# Altium PCB RT1064_V2PCB.PcbDoc (part 2 of 2)
Units mil, origin at the board's own origin, x right, y up, seen from the top; angles counter-clockwise.
Board outline 4813.94 x 2430.13 mil, 4 copper layers (TOP, GND 2, PWR, BOTTOM), stack 23.756 mil thick; 135 components, 134 nets, 481 pads, 147 vias.
Unrouted connection lines stored in the file: 5.
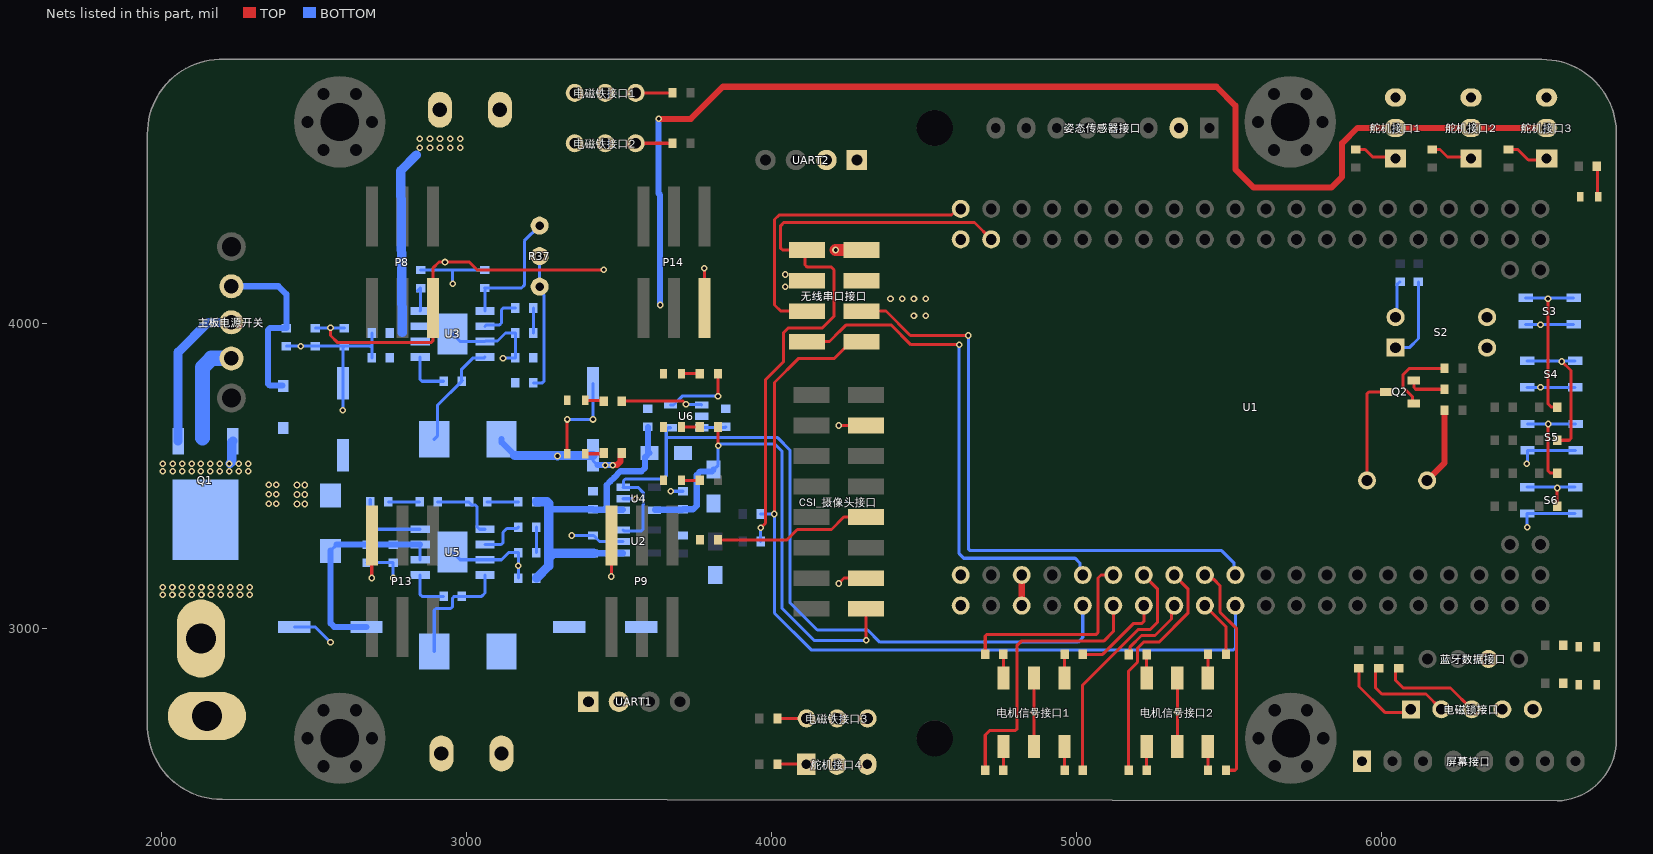
[diagram p4: the nets of this part, all layers, seen from the top]

## Via types
v1: diameter 22, hole 12, TOP to BOTTOM, tented both sides, 147 vias

## Nets (pads, with @x,y where several pads share a name; then routed paths per layer and width w, separated by ;. In a path a pad name is that pad's centre, name@x,y a point inside that pad or via, vN(x,y) a via of type N, cw(c..) or ccw(c..) an arc to the next point about the centre after c; other vN are vias at no path point) (continued)
CR: U1.9 U2.3 U4.3 U6.4 | length 2642.9
  BOTTOM w10: U2.3@3513.82,3322.4 3516.22,3320 3573.67,3320 3579.53,3325.86 3579.53,3405.62 3580,3406.1 3580,3445 3562.6,3462.4 U4.3@3513.82,3462.4 ; U4.3@3515,3463.58 3515,3483.86 3521.14,3490 3645,3490 3655,3500 3655,3625 ; U6.4@3668.82,3657.6 3661.81,3657.6 3655,3650.79 3655,3625 ; U1.9@5020,3075 5020,2970 5005,2955 4355,2955 4315,2995 4150,2995 4060,3085 4060,3585 4020,3625 3655,3625
CSI_3V3: C13.1 C15.2 CSI_摄像头接口.1 R52.2 U4.5 | length 1616.1
  TOP w10: R52.2@3824.53,3660 3824.76,3659.77 3824.76,3599.24 v1(3825,3599) ; v1(4310,2961) CSI_摄像头接口.1@4310,3065
  BOTTOM w10: U4.5@3616.18,3387.6 U4.5@3617.62,3389.04 ; C15.2@3708.56,3389.04 C15.2@3710,3390.47 ; C13.1@3810,3520.24 3825,3535.24 v1(3825,3599) ; v1(4310,2961) 4139,2961 4035,3065 4035,3580 4010,3605 3834.25,3605 3828.25,3599 v1@3826,3599 ; v1(3825,3599) v1@3826,3599 ; v1(3825,3599) 3825,3600 v1@3826,3599
  BOTTOM w20: U4.5@3617.62,3389.04 C15.2@3708.56,3389.04 ; C15.2@3710,3390.47 3743.28,3390.47 3755,3402.19 3755,3502.66 3766.72,3514.38 3804.14,3514.38 C13.1@3810,3520.24
D0: R8.1 U1.14 | length 783.1
  TOP w10: R8.1@5019.45,2535.26 5019.45,2814.44 5201.63,2996.62 5241.62,2996.62 5264.53,3019.53 5264.53,3130.47 U1.14@5220,3175
D1: R9.1 U1.13 | length 297.5
  TOP w10: R9.1@5019.53,2915 5085,2915 5186.62,3016.62 5214.14,3016.62 5220,3022.47 U1.13@5220,3075
D2: R2.1 U1.12 | length 666.9
  TOP w10: R2.1@4700.47,2914.88 4700.47,2974.61 4706.33,2980.47 5064.14,2980.47 5070,2986.33 5070,3165 5080,3175 U1.12@5120,3175
D3: R3.1 U1.11 | length 921.1
  TOP w10: R3.1@4700.47,2535 4700.47,2650.47 4715.2,2665.2 4799.14,2665.2 4805,2671.05 4805,2945 4818.3,2958.3 5088.3,2958.3 5120,2990 U1.11@5120,3075
D4: U1.10 无线串口接口.2 | length 1695.5
  TOP w10: 无线串口接口.2@4116.26,3940 4190,3940 4209.87,3959.87 4209.87,3960.72 4229.73,3980.59 4230.59,3980.59 4245,3995 4391.72,3995 4456.72,3930 v1(4615,3930)
  BOTTOM w10: v1(4615,3930) 4615,3245 4630,3230 4995,3230 5010.61,3214.39 5010.61,3184.39 U1.10@5020,3175 U1.10@5010,3175
D12: R15.1 U1.15 | length 248.1
  TOP w10: R15.1@5170.47,2914.71 5175.39,2919.63 5175.39,2939.6 5212.4,2976.62 5256.62,2976.62 5310.61,3030.61 5310.61,3065.61 U1.15@5320,3075
D13: R13.1 U1.16 | length 768.5
  TOP w10: R13.1@5170.47,2535.11 5170.47,2860.47 5199.25,2889.25 5199.25,2935.18 5219.07,2955 5270,2955 5364.53,3049.53 5364.53,3130.47 U1.16@5320,3175
D14: R12.1 U1.17 | length 189
  TOP w10: U1.17@5420,3075 5489.53,3005.47 R12.1@5489.53,2914.8
D15: R11.1 U1.18 | length 722.9
  TOP w10: U1.18@5420,3175 5433.27,3175 5447.26,3161.01 5448.99,3161.01 5470,3140 5470,3053.28 5524.17,2999.12 5524.17,2541.07 5518.31,2535.21 R11.1@5489.53,2535.21
D16: R6.1 U1.19 无线串口接口.1 | length 2843.8
  TOP w10: v1(4009,3375) 4010,3376 4010,3806.17 4088.83,3885 4206.54,3885 4261.54,3940 无线串口接口.1@4295,3940
  BOTTOM w10: R6.1@3964.53,3375 v1(4009,3375) 4010,3375 4010,3050 4130,2930 5514.14,2930 5520,2935.86 U1.19@5520,3075
D17: U1.20 无线串口接口.3 | length 2013.3
  TOP w10: 无线串口接口.3@4295,4040 4375,4040 4455,3960 v1(4645,3960)
  BOTTOM w10: v1(4645,3960) 4645,3260.86 4650.86,3255 5475,3255 5516.33,3213.67 5516.33,3178.67 U1.20@5520,3175
D26: U1.84 无线串口接口.4 | length 1019
  TOP w10: 无线串口接口.4@4116.26,4040 4030,4040 4010,4060 4010,4340 4025,4355 4589.61,4355 4609.61,4375 U1.84@4620,4375
D27: R7.1 U1.81 无线串口接口.8 | length 2088.5
  TOP w10: v1(3965,3330) 3980,3345 3980,3815 4040,3875 4040,3969.6 4055.4,3985 4167.12,3985 4205,4022.88 4205,4175 4195,4185 4115.59,4185 4109.73,4190.86 4109.73,4233.47 无线串口接口.8@4116.26,4240 4035.86,4240 4030,4245.86 4030,4320 4040,4330 4665,4330 U1.81@4720,4275
  BOTTOM w10: R7.1@3964.53,3285 3964.53,3329.53 v1(3965,3330)
GND: 3V3电源指示灯.C 5V_EXT指示灯.C 5V电源指示灯.C C1.2 C2.1 C6.2 C7.1 C8.1 C13.2 C14.1 C15.1 C17.2 C18.1 C22.1 CSI_3V3指示灯.C CSI_摄像头接口.3 CSI_摄像头接口.13 IO测试点1.C IO测试点2.C P8.1 P9.1 P13.1 P14.1 PWM测试点.C R4.2 R43.1 R44.1 R45.1 R46.2 R47.2 S2.3 S2.4 S3.1 S4.1 S5.1 S6.1 U1.1 U1.2 U1.83 U2.2 U4.2 U5.0 U5.7 U6.2 UART1.2 UART2.2 姿态传感器接口.2 屏幕接口.1 无线串口接口.5 无线串口接口.6 蓝牙数据接口.2 | length 3275.5
  TOP w10: v1(2555,3985) 2555,3960 2578.43,3936.57 2884.14,3936.57 2890,3942.43 P8.1@2890,4050 2890,4180 2910.53,4200.53 v1(2930,4200.53) 3009.47,4200.53 3035,4175 v1(3450,4175) ; v1(2690,3165) P13.1@2690,3305 ; v1(3475,3170) P9.1@3475,3305 ; P14.1@3780,4050 v1(3780,4180) ; v1(4220,3147.5) 4237.5,3165 CSI_摄像头接口.3@4310,3165 ; v1(4220,3665) CSI_摄像头接口.13@4310,3665
  BOTTOM w10: R46.2@2505,3984.06 R47.2@2600,3984.05 ; R43.1@2744.53,3415 R45.1@2847.14,3415 ; U5.0@2955,3250 2980,3225 U5.7@3061.3,3225 3115,3225 3138.33,3248.33 C22.1@3170.47,3248.33 ; C18.1@3170.47,3165 C22.1@3170.47,3246.36 ; v1@3345,3305 v1(3345.47,3304.53) C7.1@3415,3304.53 3416.97,3304.53 3436.49,3285 U2.2@3513.82,3285 ; U4.2@3513.82,3425 v1(3555,3425) ; v1(3670,3450) 3670.47,3449.53 C15.1@3710,3449.53 ; S3.1@6471.26,3996.69 S3.1@6628.74,3996.69 ; v1@6475,3330 v1(6476.26,3331.26) S6.1@6476.26,3376.69 S6.1@6633.74,3376.69 ; v1(6475,3540) 6477.52,3542.52 S5.1@6477.52,3583.36 S5.1@6635,3583.36 ; S4.1@6476.26,3790.03 S4.1@6633.74,3790.03
  other v1: 3170,3205 6520,3790 6520,3995 4466.67,4025 4505,4025 4390,4080 4428.33,4080 4466.67,4080 4505,4080 4045,4120 4045,4160
NetB1_1: B1.1 R19.1 | length 247.7
  TOP w20: B1.1@6148.43,3485 6205,3541.57 R19.1@6205,3709.26
NetB1_2: B1.2 Q2.3 | length 349.7
  TOP w10: B1.2@5951.57,3485 5951.57,3769.14 5957.43,3775 Q2.3@6014.72,3775
NetC3_1: C3.1 L1.1 U3.8 | length 363.7
  BOTTOM w10: L1.1@2894.76,3620 2905,3630.24 2905,3730.48 C3.1@2984.53,3810 ; C3.1@2986.97,3812.45 C3.1@2984.53,3810 ; U3.8@3061.3,3890 3056.96,3885.66 3020.66,3885.66 2984.53,3849.53 C3.1@2984.53,3810
NetC3_2: C3.2 U3.1 | length 153.3
  BOTTOM w10: U3.1@2848.7,3890 2848.7,3815.86 2854.56,3810 C3.2@2925.47,3810
NetC12_2: C12.2 R36.1 | length 81.7
  BOTTOM w10: C12.2@3219.53,3968.33 R36.1@3219.53,4050
NetC16_1: C16.1 L2.1 U5.8 | length 399.6
  BOTTOM w10: L2.1@2894.76,2925 2894.76,3059.14 2900.62,3065 2948.39,3065 2954.25,3070.86 2954.25,3099.15 2960.11,3105 C16.1@2984.53,3105 3050,3105 3061.3,3116.3 U5.8@3061.3,3175
NetC16_2: C16.2 U5.1 | length 143.3
  BOTTOM w10: U5.1@2848.7,3175 2848.7,3110.86 2854.56,3105 C16.2@2925.47,3105
NetC19_1: C19.1 C20.2 C21.2 D2.K U5.2 U5.3 | length 712.6
  BOTTOM w10: D2.K@2555,3254.45 D2.K@2575.08,3274.53 ; C21.2@2760,3274.53 C21.2@2760.24,3274.76 ; U5.3@2848.46,3274.76 U5.3@2848.7,3275 U5.2@2848.7,3225
  BOTTOM w20: D2.K@2555,3254.45 2555,3016.72 2566.72,3005 C19.1@2672.77,3005 ; D2.K@2575.08,3274.53 C20.2@2675,3274.53 C21.2@2760,3274.53 ; C21.2@2760.24,3274.76 U5.3@2848.46,3274.76
NetC22_2: C22.2 R41.1 | length 83.3
  BOTTOM w10: C22.2@3229.53,3248.33 R41.1@3229.53,3331.67
NetD1_A: D1.A R16.2 主板电源开关.1 | length 593.9
  BOTTOM w10: D1.A@2398.02,3795.87 D1.A@2400,3793.9
  BOTTOM w20: 主板电源开关.1@2230,4121.22 2383.78,4121.22 2410,4095 R16.2@2410,3984.07 2355.86,3984.07 2350,3978.21 2350,3801.73 2355.86,3795.87 D1.A@2398.02,3795.87
NetD1_K: D1.K Q1.3 主板电源开关.3 主板电源接口.1 | length 416.4
  BOTTOM w30: v1@2225,3540 2231.06,3546.06 2231.06,3610.24 Q1.3@2234.76,3613.94
  BOTTOM w50: 2135,3624.4 2135,3855.71 2164.29,3885 主板电源开关.3@2230,3885
  other v1: 2005,3110 2036.67,3110 2068.33,3110 2100,3110 2131.67,3110 2163.33,3110 2195,3110 2226.67,3110 2258.33,3110 2290,3110 2005,3135 2036.67,3135 2068.33,3135 2100,3135 2131.67,3135 2163.33,3135 2195,3135 2226.67,3135 2258.33,3135 2290,3135 2005,3515 2038,3515 2069,3515 2100,3515 2130,3515 2161,3515 2192,3515 2223,3515 2254,3515 2285,3515 2005,3540 2038,3540 2069,3540 2100,3540 2130,3540 2161,3540 2192,3540 2223,3540 2254,3540 2285,3540
NetLED1_A: R48.1 舵机电源指示灯.A | length 62
  TOP w10: 舵机电源指示灯.A@3389.53,3572.5 3447.97,3572.5 R48.1@3450.47,3575
NetLED2_A: 5V_EXT指示灯.A R49.1 | length 62
  TOP w10: 5V_EXT指示灯.A@3389.53,3747.5 3447.98,3747.5 R49.1@3450.47,3745
NetLED3_A: 5V电源指示灯.A R50.1 | length 60.5
  TOP w10: 5V电源指示灯.A@3705,3835 R50.1@3765.47,3835
NetLED4_A: 3V3电源指示灯.A R51.1 | length 60.5
  TOP w10: 3V3电源指示灯.A@3705,3485 R51.1@3765.47,3485
NetLED5_A: CSI_3V3指示灯.A R52.1 | length 60.5
  TOP w10: CSI_3V3指示灯.A@3705,3660 R52.1@3765.47,3660
NetLED6_A: IO测试点2.A R54.1
NetLED7_A: IO测试点1.A R55.1
NetLED8_A: PWM测试点.A R56.1 | length 102.1
  TOP w10: R56.1@6704.53,4515 6707.03,4512.5 6707.03,4417.5 PWM测试点.A@6709.53,4415
NetP1_7: CSI_摄像头接口.7 R4.1 | length 516.5
  TOP w10: R4.1@3824.56,3290 4050.4,3290 4084.81,3324.41 4196.53,3324.41 4237.12,3365 CSI_摄像头接口.7@4310,3365
NetP2_1: R1.1 电磁铁接口2.1 | length 120.5
  TOP w10: 电磁铁接口2.1@3555,4590 R1.1@3675.47,4590
NetP4_1: R8.2 电机信号接口1.1 | length 77.7
  TOP w10: 电机信号接口1.1@4960,2612.8 4960.4,2612.4 R8.2@4960.4,2535.26
NetP4_2: R9.2 电机信号接口1.2 | length 78
  TOP w10: 电机信号接口1.2@4960,2837.2 4960.47,2837.68 R9.2@4960.47,2915
NetP4_5: R3.2 电机信号接口1.5 | length 78
  TOP w10: R3.2@4759.53,2535 4759.53,2612.32 电机信号接口1.5@4760,2612.8
NetP4_6: R2.2 电机信号接口1.6 | length 77.9
  TOP w10: R2.2@4759.53,2914.88 4759.53,2837.68 电机信号接口1.6@4760,2837.2
NetP5_1: R15.2 电机信号接口2.1 | length 77.7
  TOP w10: R15.2@5229.53,2914.71 5229.53,2837.68 电机信号接口2.1@5230,2837.2
NetP5_2: R13.2 电机信号接口2.2 | length 77.9
  TOP w10: R13.2@5229.53,2535.11 5229.53,2612.32 电机信号接口2.2@5230,2612.8
NetP5_5: R12.2 电机信号接口2.5 | length 77.8
  TOP w10: 电机信号接口2.5@5430,2837.2 5430.47,2837.68 R12.2@5430.47,2914.8
NetP5_6: R11.2 电机信号接口2.6 | length 77.8
  TOP w10: 电机信号接口2.6@5430,2612.8 5430.47,2612.32 R11.2@5430.47,2535.21
NetP7_1: R5.1 电磁铁接口1.1 | length 120.5
  TOP w10: 电磁铁接口1.1@3555,4755 R5.1@3675.47,4755
NetP12_1: R10.1 舵机接口2.1 | length 139.7
  TOP w10: R10.1@6165,4569.53 6190.47,4569.53 6215,4545 6287.5,4545 舵机接口2.1@6292.5,4540
NetP15_1: R14.1 舵机接口3.1 | length 141.4
  TOP w10: R14.1@6415,4569.53 6445.47,4569.53 6480,4535 6535,4535 舵机接口3.1@6540,4540
NetP16_1: R17.1 电磁铁接口3.1 | length 95.5
  TOP w10: R17.1@4019.53,2705 电磁铁接口3.1@4115,2705
NetP18_1: R18.1 舵机接口1.1 | length 126.8
  TOP w10: R18.1@5925.75,4573.98 R18.1@5915,4569.53 5945.47,4569.53 5970,4545 5974.14,4545 舵机接口1.1@6020,4545
NetP19_1: R53.1 舵机接口4.1 | length 94.4
  TOP w10: R53.1@4019.53,2555 舵机接口4.1@4113.94,2555
NetP29_1: R28.1 电磁锁接口.1 | length 286
  TOP w10: R28.1@5925,2861.06 5925,2810 6010,2725 6085,2725 电磁锁接口.1@6095,2735 6080,2735 电磁锁接口.1@6087.5,2727.5
NetP29_2: R30.1 电磁锁接口.2 | length 313.9
  TOP w10: R30.1@5990,2870.01 5988.78,2870.01 5980,2861.23 5980,2805 6000,2785 6145,2785 电磁锁接口.2@6195,2735
NetP29_3: R32.1 电磁锁接口.3 | length 334.2
  TOP w10: R32.1@6055,2869.96 6053.78,2869.96 6045,2861.18 6045,2830 6070,2805 6225,2805 电磁锁接口.3@6295,2735
NetQ1_2: Q1.2 主板电源开关.2 | length 506.6
  BOTTOM w30: Q1.2@2055.24,3613.94 2055.24,3905.24 2153.11,4003.11 主板电源开关.2@2230,4003.11
NetQ2_1: Q2.1 R20.1 | length 253.2
  TOP w10: Q2.1@6105.28,3737.6 6100.46,3742.41 6100.46,3759.54 6069.61,3790.39 6069.61,3831.41 6090.7,3852.51 R20.1@6205.47,3852.51
NetQ2_2: Q2.2 R21.1 | length 125.4
  TOP w10: Q2.2@6105.28,3812.4 6105.28,3789.6 6111.13,3783.74 R21.1@6205.46,3783.74
NetR22_1: R22.1 S2.1 | length 272.9
  BOTTOM w10: S2.1@6045,3920 6090,3920 6120,3950 R22.1@6120,4135.47
NetR27_1: R27.1 S2.2 | length 122.8
  BOTTOM w10: S2.2@6045,4020 6049.26,4024.26 6049.26,4126.69 6058.03,4135.47 R27.1@6060,4135.47
NetR29_1: R29.1 S3.2 | length 536
  TOP w10: v1(6544.77,4080.23) 6544.77,3736.08 6555.86,3725 R29.1@6574.53,3725
  BOTTOM w10: S3.2@6471.26,4083.31 S3.2@6628.74,4083.31
NetR31_1: R31.1 S4.2 | length 470.3
  TOP w10: R31.1@6574.53,3616.65 6614.14,3616.65 6620,3622.51 6620,3845 v1(6590,3875)
  BOTTOM w10: S4.2@6476.26,3876.64 S4.2@6633.74,3876.64
NetR33_1: R33.1 S5.2 | length 344.3
  TOP w10: v1(6545,3670) 6545,3515.86 6550.86,3510 6572.85,3510 R33.1@6574.53,3508.32
  BOTTOM w10: S5.2@6477.52,3669.97 S5.2@6635,3669.97
NetR34_1: R34.1 S6.2 | length 217.7
  TOP w10: R34.1@6574.53,3400 6574.53,3459.53 v1(6575,3460)
  BOTTOM w10: S6.2@6476.26,3463.31 S6.2@6633.74,3463.31
NetR35_1: R35.1 R37.1 R37.ADJ | length 453.3
  BOTTOM w10: R35.1@3219.53,3805 3249.14,3805 3255,3810.86 3255,4091.73 3240,4106.73 R37.1@3240,4120 R37.ADJ@3240,4220
NetR36_2: R36.2 U3.6 | length 149.4
  BOTTOM w10: U3.6@3061.3,3990 3066.3,3995 3109.14,3995 3115,4000.86 3115,4044.14 3120.86,4050 R36.2@3160.47,4050
NetR37_2: R37.2 R39.2 U3.5 | length 418.4
  BOTTOM w10: R39.2@3060,4115.47 3180.47,4115.47 3190,4125 3190,4270 R37.2@3240,4320 ; U3.5@3061.3,4040 R39.2@3061.3,4108.7
NetR38_2: R38.2 U3.4 | length 89.6
  BOTTOM w10: R38.2@2840,4106.69 2848.78,4115.47 R38.2@2850,4115.47 2850,4041.3 U3.4@2848.7,4040
NetR40_1: R40.1 R42.2 | length 102.6
  BOTTOM w10: R42.2@3067.86,3415 R40.1@3170.47,3415
NetR41_2: R41.2 U5.6 | length 152.6
  BOTTOM w10: U5.6@3061.3,3275 3114.14,3275 3120,3280.86 3120,3315 3132.55,3327.55 3166.35,3327.55 R41.2@3170.47,3331.67
NetR42_1: R42.1 R45.2 U5.5 | length 231.4
  BOTTOM w10: R45.2@2906.19,3415 R42.1@3008.81,3415 ; R42.1@3008.81,3414.46 3008.81,3413.37 3017.59,3404.59 3029.14,3404.59 3035,3398.73 3035,3332.8 3042.8,3325 U5.5@3061.3,3325
NetR43_2: R43.2 U5.4 | length 258.3
  BOTTOM w10: R43.2@2685,3422.99 2685,3330.86 2690.86,3325 U5.4@2848.7,3325
NetR44_2: R44.2 U6.3 | length 80
  BOTTOM w10: U6.3@3771.18,3657.6 3772.62,3659.04 3848.56,3659.04 R44.2@3850,3660.47
PGND: C4.2 C5.1 C9.2 C10.1 C11.1 C12.1 C19.2 C20.1 C21.1 R16.1 R38.1 R39.1 R46.1 R47.1 U3.0 U3.7 主板电源接口.2 电机信号接口1.3 电机信号接口1.4 电机信号接口2.3 电机信号接口2.4 电机接口1.2 电机接口2.2 电磁铁接口1.3 电磁铁接口2.3 电磁铁接口3.3 电磁锁接口.5 舵机接口1.3 舵机接口2.3 舵机接口3.3 舵机接口4.3 舵机电源指示灯.C | length 2210.6
  TOP w10: 舵机电源指示灯.C@3330.47,3572.5 v1@3330.47,3675.47 ; 电机信号接口1.3@4860,2612.8 v1(4860,2725) 电机信号接口1.4@4860,2837.2 ; 电机信号接口2.4@5330,2612.8 v1(5330,2725) 电机信号接口2.3@5330,2837.2
  BOTTOM w10: R16.1@2410,3925.01 v1(2457.5,3925.01) R46.1@2505,3925 2684.62,3925 2690.48,3919.14 ; C19.2@2436.55,3005 2505,3005 v1(2555,2955) ; v1(2595,3715) C9.2@2595,3803.11 2595,3920 R47.1@2600,3925 ; C20.1@2675,3215.47 C21.1@2760,3215.47 v1(2760,3165) ; C10.1@2690.48,3886.67 2690.48,3919.14 ; C11.1@2690.48,3968.33 2690.48,3919.14 ; R38.1@2850,4174.53 2955,4174.53 ; U3.0@2955,3965 2980,3940 U3.7@3061.3,3940 3063.24,3941.94 3101.94,3941.94 3128.33,3968.33 C12.1@3160.47,3968.33 C5.1@3160.47,3886.67 3121.67,3886.67 v1(3120,3885) ; v1(2955,4130) 2955,4174.53 ; R39.1@3060,4174.53 2955,4174.53 ; v1(3330.47,3685) v1(3415,3685) C4.2@3415,3803.11
VCC_5V: C1.1 C2.2 C7.2 C14.2 C17.1 C18.2 L2.2 R40.2 R50.2 U1.5 U1.6 U2.1 U4.1 U6.5 | length 1515
  TOP w10: R50.2@3824.53,3835 v1(3824.53,3760.47) v1@3825,3760
  TOP w20: U1.5@4820,3075 U1.6@4820,3175
  BOTTOM w10: C14.2@3415,3390.47 C14.2@3416.43,3389.04 ; U4.1@3512.38,3389.04 U4.1@3513.82,3387.6 ; U2.1@3512.76,3246.54 U2.1@3513.82,3247.6 ; U6.5@3668.82,3732.4 3678.66,3732.4 3707.26,3761 3824,3761 v1(3824.53,3760.47)
  BOTTOM w20: 3270,3385 3275.47,3390.47 C14.2@3415,3390.47 ; C7.2@3416.06,3246.54 U2.1@3512.76,3246.54 ; C14.2@3416.43,3389.04 3450,3389.04 ; U4.1@3512.38,3389.04 3450,3389.04 ; C1.1@3595,3579.89 C2.2@3595,3660.5 ; C1.1@3599.88,3575 3599.27,3575 3585.65,3561.38 3585.65,3526.72 3573.94,3515 3505,3515 3484.21,3494.21 3483.88,3494.21 3472.17,3482.5 3472.17,3482.17 3460,3470 3460,3399.04 3450,3389.04
  BOTTOM w30: C18.2@3229.53,3165 3230,3165 3270,3205 3270,3230 ; R40.2@3229.53,3415 3264.14,3415 3270,3409.14 3270,3385 3270,3230 ; C7.2@3416.06,3246.54 3286.54,3246.54 3270,3230
VCC_5V_EXT: R49.2 U6.1 UART1.1 UART2.1 无线串口接口.7 | length 351.9
  TOP w10: R49.2@3509.53,3745 3710,3745 v1(3720,3735)
  TOP w40: v1(4210,4240) 无线串口接口.7@4295,4240
  BOTTOM w10: v1(3720,3735) 3721.3,3733.7 3769.88,3733.7 U6.1@3771.18,3732.4
VCC_Servo: C4.1 C5.2 L1.2 R35.2 R48.2 舵机接口1.2 舵机接口2.2 舵机接口3.2 舵机接口4.2 | length 4447.6
  TOP w20: v1(3480,3535) 3480.38,3535.38 3493.41,3535.38 3505.75,3547.72 3505.75,3570.67 R48.2@3509.81,3574.72 ; v1(3630,4670) 3735.5,4670 3840.5,4775 5458.28,4775 5520,4713.28 5520,4504.53 5580,4444.53 5834.53,4444.53 5870,4480 5870,4590 5920,4640 舵机接口1.2@6045,4640 舵机接口2.2@6292.5,4640 舵机接口3.2@6540,4640
  BOTTOM w10: C4.1@3415,3566.89 3415,3549.69 C4.1@3429.69,3535
  BOTTOM w20: L1.2@3115.24,3620 3115.24,3610.16 L1.2@3158.5,3566.89 ; C4.1@3429.69,3535 v1(3455,3535) v1(3480,3535) ; v1(3630,4670) 3630,4425.98 3635,4420.98 v1(3635,4060)
  BOTTOM w30: L1.2@3158.5,3566.89 v1@3298.65,3566.89 ; v1(3298.65,3565) v1@3298.65,3566.89 ; C4.1@3415,3566.89 v1@3298.65,3566.89
VCCBAT: C9.1 C10.2 C11.2 D2.A Q1.1 U3.2 U3.3 电机接口1.1 电机接口2.1 电磁铁接口1.2 电磁铁接口2.2 电磁铁接口3.2 电磁锁接口.4 | length 603.2
  BOTTOM w30: 2790.1,3970 2784.9,4499.9 2836.7,4551.7
  other v1: 2445,3408 2470,3408 2351.96,3408.68 2376.96,3408.68 2445,3439 2470,3439 2351.96,3439.68 2376.96,3439.68 2445,3470 2470,3470 2351.96,3470.68 2376.96,3470.68 2847.5,4575 2880.62,4575 2913.75,4575 2946.88,4575 2980,4575 2847.5,4605 2880.62,4605 2913.75,4605 2946.88,4605 2980,4605
pads on no net: M1.1 M2.1 M3.1 M4.1 M5.1 M6.1 P8.5 P8.6 P9.5 P9.6 P13.5 P13.6 P14.5 P14.6 U1.3 U1.4 U1.7 U1.8 U1.21 U1.22 U1.49 U1.69 U1.74 U2.4 U4.4 主板电源开关.0 姿态传感器接口.7 姿态传感器接口.8

## Polygon pours and split planes (outlines as drawn)
VCCBAT on BOTTOM "NONET_L-01_P-001" (solid, remove dead copper, pour order 32): 2800,4865 2800,4535 2825,4510 3020,4510 3020,4850 3005,4865 2795,4865
VCCBAT on BOTTOM "NONET_L-01_P-001" (solid, remove dead copper, pour order 22): 2720,3870 2740,3850 2780,3850 2780,3910 2790,3920 2880,3920 2885,3925 2885,4005 2740,4005 2720,3985
VCC_Servo on BOTTOM "NONET_L-01_P-001" (solid, remove dead copper, pour order 27): 3200,3905 3200,3880 3160,3840 3140,3840 3130,3830 3130,3700 3070,3700 3055,3685 3055,3545 3065,3535 3175,3535 3185,3545 3185,3825 3195,3825 3240,3870 3240,3910 3205,3910
GND on BOTTOM "GND_L04_P043" (solid, remove dead copper, pour order 43): 1954.93,2690.01 1954.9,4620.01 cw(c2197.5,4622.51) 2190,4865.01 6650,4865.1 cw(c6652.5,4622.5) 6895,4630 6894.64,2637.09 cw(c6694.99,2635.03) 6701.16,2435.47 6701.16,2435.58 2199.82,2440.16 cw(c2197.32,2682.65)
VCCBAT on BOTTOM "NONET_L-01_P-001" (solid, remove dead copper, pour order 35): 3400,4835 3400,4520 3510,4520 3510,4835
VCC_5V on BOTTOM "NONET_L-01_P-001" (solid, remove dead copper, pour order 31): 3580,3645 3575,3650 3575,3685 3580,3690 3615,3690 3620,3740 3630,3750 3695,3750 3700,3745 3700,3710 3690,3700 3645,3700 3635,3675 3623,3645
3V3 on BOTTOM "NONET_L-01_P-001" (solid, remove dead copper, pour order 30): 3870,3390 3885,3405 3925,3405 3940,3390 3940,3250 3880,3250 3870,3260 3870,3335
3V3 on BOTTOM "NONET_L-01_P-001" (solid, remove dead copper, pour order 29): 3595,3225 3605,3215 3740,3215 3775,3250 3915,3250 3930,3265 3930,3305 3915,3320 3845,3320 3770,3320 3740,3290 3715,3265 3595,3265
VCC_5V on BOTTOM "NONET_L-01_P-001" (solid, remove dead copper, pour order 28): 3045,2860 3070,2835 3070,2825 3400,2825 3440,2865 3440,3075 3325,3075 3265,3135 3265,3195 3255,3205 3205,3205 3200,3200 3200,3005 3075,3005 3045,2975 3045,2855
VCCBAT on BOTTOM "NONET_L-01_P-001" (solid, remove dead copper, pour order 25): 2690,3635 2690,3771.88 2720,3870 2780,3870 2780,3575 2740,3535 2555,3535 2530,3560 2545,3635
NetD1_K on BOTTOM "NONET_L-01_P-001" (solid, remove dead copper, pour order 23): 2110,3505 2300,3505 2300,3605 2325,3630 2430,3630 2430,3675 2409.98,3695.02 2110,3695
VCCBAT on BOTTOM "NONET_L-01_P-001" (solid, remove dead copper, pour order 21): 1980,3225 2020,3185 2280,3185 2280,3330 2290,3340 2550,3340 2625,3415 2625,3625 2620,3625 2610,3635 2545,3635 2515,3605 2515,3485 1980,3485
NetD1_K on TOP "NONET_L-01_P-001" (solid, remove dead copper, pour order 24): 1965,3915 1990,3940 2275,3940 2305,3910 2305,2855 2265,2815 2000,2815 1965,2850
GND on TOP "GND_L01_P040" (solid, remove dead copper, pour order 40): 1954.93,2690.01 1954.9,4620.01 cw(c2197.5,4622.51) 2190,4865.01 6650,4865.1 cw(c6652.5,4622.5) 6895,4630 6894.64,2637.09 cw(c6694.99,2635.03) 6701.16,2435.47 6701.16,2435.58 2199.82,2440.16 cw(c2197.32,2682.65)
PGND on TOP "NONET_L-01_P-001" (solid, remove dead copper, pour order 39): 3040,4840 3040,4565 3060,4545 3365,4545 3390,4570 3390,4845 3045,4845
VCCBAT on TOP "NONET_L-01_P-001" (solid, remove dead copper, pour order 33): 2800,4835 3005,4835 3020,4820 3020,4550 2800,4550
VCCBAT on TOP "NONET_L-01_P-001" (solid, remove dead copper, pour order 34): 3410,4855 3410,4535 3510,4535 3510,4855
VCC_5V on PWR (split plane): 4869.9,3782.89 4869.9,3032.11 4867.89,3030.1 4770.1,3030.1 4770.1,3665 4769.71,3666.95 4768.6,3668.6 4718.6,3718.6 4716.95,3719.71 4715,3720.1 3752.11,3720.1 3750.1,3722.11 3750.1,3827.89 3752.11,3829.9 4822.89,3829.9
3V3 on PWR (split plane): 3924.9,3507.89 3924.9,3142.11 3902.89,3120.1 3750.1,3120.1 3750.1,3529.9 3902.89,3529.9
no net on PWR (split plane): 3739.9,3732.31 3735.1,3737.11 3735.1,3812.89 3739.9,3817.69
3V3 on PWR (split plane): 5474.9,4697.89 5474.9,4510 5475.29,4508.05 5476.4,4506.4 5501.4,4481.4 5503.05,4480.29 5505,4479.9 6632.89,4479.9 6659.9,4452.89 6659.9,3772.11 6587.89,3700.1 6405,3700.1 6403.05,3699.71 6401.4,3698.6 6376.4,3673.6 6375.29,3671.95 6374.9,3670 6374.9,3410 6375.29,3408.05 6376.4,3406.4 6426.4,3356.4 6428.05,3355.29 6430,3354.9 6537.89,3354.9 6609.9,3282.89 6609.9,2852.11 6577.89,2820.1 6422.11,2820.1 6410.1,2832.11 6410.1,2950 6409.71,2951.95 6408.6,2953.6 6370.1,2992.11 6370.1,3305 6369.71,3306.95 6368.6,3308.6 6290.1,3387.11 6290.1,3732.89 6312.11,3754.9 6560,3754.9 6561.95,3755.29 6563.6,3756.4 6573.6,3766.4 6574.71,3768.05 6575.1,3770 6575.1,4405 6574.71,4406.95 6573.6,4408.6 6553.6,4428.6 6551.95,4429.71 6550,4430.1 5442.11,4430.1 5385.1,4487.11 5385.1,4709.9 5462.89,4709.9
VCC_5V_EXT on PWR (split plane): 4319.9,4380 4319.9,4205.1 4185,4205.1 4183.05,4204.71 4182.5,4204.34 4181.95,4204.71 4180,4205.1 3760,4205.1 3758.05,4204.71 3756.4,4203.6 3741.4,4188.6 3740.29,4186.95 3739.9,4185 3739.9,3832.11 3726.4,3818.6 3725.29,3816.95 3724.9,3815 3724.9,3735 3725.29,3733.05 3726.4,3731.4 3739.9,3717.89 3739.9,3535 3739.9,3115 3739.9,3097.11 3441.4,2798.6 3440.29,2796.95 3439.9,2795 3439.9,2710.1 3357.11,2710.1 3355.1,2712.11 3355.1,2792.89 3673.6,3111.4 3674.71,3113.05 3675.1,3115 3675.1,3510 3675.1,4227.89 3712.11,4264.9 4180,4264.9 4181.95,4265.29 4183.6,4266.4 4238.6,4321.4 4239.71,4323.05 4240.1,4325 4240.1,4584.9 4319.9,4584.9
no net on PWR (split plane): 3504.9,4557.11 3467.89,4520.1 2837.11,4520.1 2810.1,4547.11 2810.1,4844.93 3504.9,4844.94
3V3 on PWR (split plane): 3824.9,4677.89 3824.9,4460 3825.29,4458.05 3826.4,4456.4 3856.4,4426.4 3858.05,4425.29 3860,4424.9 3922.89,4424.9 3944.9,4402.89 3944.9,4302.11 3917.89,4275.1 2385.1,4275.1 2385.1,4424.9 3725,4424.9 3726.95,4425.29 3728.6,4426.4 3729.71,4428.05 3730.1,4430 3730.1,4677.89 3752.11,4699.9 3802.89,4699.9
NetD1_K on PWR (split plane): 2296.4,3906.4 2309.9,3892.89 2309.9,2962.11 2267.89,2920.1 1975.02,2920.1 1975.01,3934.9 2267.89,3934.9
VCCBAT on PWR (split plane): 166 vertices, not listed, extent 1974.83,2455.07 6748.74,4845
VCC_Servo on PWR (split plane): 3664.9,3510 3664.9,3117.11 3346.4,2798.6 3345.29,2796.95 3344.9,2795 3344.9,2710 3344.9,2635 3345.29,2633.05 3346.4,2631.4 3351.4,2626.4 3353.05,2625.29 3355,2624.9 4242.89,2624.9 4249.9,2617.89 4249.9,2487.11 4237.89,2475.1 3327.11,2475.1 3260.1,2542.11 3260.1,2817.89 3588.6,3146.4 3589.71,3148.05 3590.1,3150 3590.1,3465 3589.71,3466.95 3588.6,3468.6 3548.6,3508.6 3546.95,3509.71 3545,3510.1 3312.11,3510.1 3270.1,3552.11 3270.1,4032.89 3357.11,4119.9 3664.9,4119.9
GND on GND 2 (split plane): 5479.9,4585 5480.29,4583.05 5481.4,4581.4 5601.4,4461.4 5603.05,4460.29 5605,4459.9 6492.89,4459.9 6531.4,4421.4 6629.9,4322.89 6629.9,2847.11 6567.89,2785.1 3830,2785.1 3828.05,2784.71 3826.4,2783.6 3737.89,2695.1 2877.11,2695.1 2865.1,2707.11 2865.1,3742.89 2952.11,3829.9 3194.9,3829.9 3194.9,3665 3195.29,3663.05 3196.4,3661.4 3251.4,3606.4 3253.05,3605.29 3255,3604.9 3335,3604.9 3336.95,3605.29 3338.6,3606.4 3363.6,3631.4 3364.71,3633.05 3365.1,3635 3365.1,3982.89 3403.6,4021.4 3404.71,4023.05 3405.1,4025 3405.1,4035 3405.1,4844.94 5479.9,4844.98
PGND on GND 2 (split plane): 200 vertices, not listed, extent 1974.83,2455.1 6748.74,4845

## Keep-outs
Keep-Out Layer:
  lines w10: 6523.84,4864.63 cw(c6526.34,4622.03) 6768.84,4629.53 6768.47,2636.62 cw(c6568.83,2634.56) 6575,2435 ; 6523.84,4865.1 2190,4865.01 ccw(c2197.5,4622.51) 1954.9,4620.01 1954.93,2690.01 ccw(c2197.32,2682.65) 2199.82,2440.16 6575,2434.97

## Other copper
TOP:
  text "深蓝-六菱宏光队" at 2163.89,4765 h60 r270
  text "华南师范大学" at 2230.93,4745 h70 r270
  text "2024/3/27" at 2099.37,4674.93 h70 r270
GND 2 (plane layer: these items are gaps in the copper):
  lines w10: 1950,4650 1950,2430 1955,2435 ; 2865,2470 2885,2450 6660,2450 6770,2560 6770,4705 6605,4870 5485,4870 5485,4585 5605,4465 6495,4465 6535,4425 6635,4325 6635,2845 6570,2780 3830,2780 3740,2690 2875,2690 2860,2705 2860,3745 2950,3835 3200,3835 3200,3665 3255,3610 3335,3610 3360,3635 3360,3985 3400,4025 3400,4035 3400,4885 3465,4885 1965,4885 1955,4875 1955,2435 ; 2870,2475 2910,2435 1955,2435
PWR (plane layer: these items are gaps in the copper):
  lines w10: 2805,4860 2805,4545 2835,4515 3470,4515 3510,4555 3510,4865 3505,4870 2815,4870 ; 4180,4200 3760,4200 3745,4185 3745,3095 3445,2795 3445,2705 3355,2705 3350,2710 3350,2795 ; 4185,4200 4325,4200 4325,4380 4325,4590 4235,4590 4235,4325 4180,4270 3710,4270 3670,4230 3670,3115 ; 4765,3030 4765,3665 4715,3715 3750,3715 3730,3735 3730,3815 3750,3835 4825,3835 4875,3785 4875,3030 4870,3025 4770,3025 ; 3350,2795 3670,3115 ; 3350,2795 3350,2635 3355,2630 4245,2630 4255,2620 4255,2485 4240,2470 3325,2470 3255,2540 3255,2820 3585,3150 3585,3465 3545,3505 3310,3505 3265,3550 3265,4035 3355,4125 3670,4125 3670,3510 3670,3115 ; 3350,2795 3670,3115 ; 1955,2920 1955,3940 2270,3940 2300,3910 2315,3895 2315,2960 2270,2915 1960,2915 1955,2920 ; 2380,4270 3920,4270 3950,4300 3950,4405 3925,4430 3860,4430 3830,4460 3830,4680 3805,4705 3750,4705 3725,4680 3725,4430 2380,4430 2380,4270 ; 3745,3115 3745,3535 3905,3535 3930,3510 3930,3140 3905,3115 3745,3115 ; 5380,4485 5440,4425 6550,4425 6570,4405 6570,3770 6560,3760 6310,3760 6285,3735 6285,3385 6365,3305 6365,2990 6405,2950 6405,2830 6420,2815 6580,2815 6615,2850 6615,3285 6540,3360 6430,3360 6380,3410 6380,3670 6405,3695 6590,3695 6665,3770 6665,4455 6635,4485 5505,4485 5480,4510 5480,4700 5465,4715 5380,4715 5380,4485

## Silkscreen, mask and mechanical layers (free items; w line width, h text height)
Top Overlay:
  lines w10: 2495,3620 2665,3620 ; 2495,3815 2665,3815 ; 2550,3560 2550,3685 ; 2550,3755 2550,3880 ; 2610,3560 2610,3685 ; 2610,3755 2610,3880 ; 2689.12,3814.01 2859.12,3814.01 ; 2690,3620 2860,3620 ; 2744.12,3754.01 2744.12,3879.01 ; 2745,3560 2745,3685 ; 2804.12,3754.01 2804.12,3879.01 ; 2805,3560 2805,3685
  text "GND" at 5980,4710 h20 r90
  text "GND" at 6230,4710 h20 r90
  text "GND" at 6475,4710 h20 r90
  text "C20" at 4903.26,4707.24 h20
  text "C21" at 5008.26,4707.24 h20
  text "C22" at 5108.99,4707.24 h20
  text "C23" at 5213.99,4707.24 h20
  text "GND" at 5315,4707.24 h20
  text "VCC" at 5415,4707.24 h20
  text "GND" at 3330,4665 h20
  text "VCC" at 3430,4665 h20
  text "C10" at 3530,4665 h20
  text "VCC" at 6230,4610 h20 r90
  text "VCC" at 6475,4609.17 h20 r90
  text "VCC" at 5980,4605 h20 r90
  text "C6" at 5980,4520 h20 r90
  text "C31" at 6475,4515 h20 r90
  text "C30" at 6230,4510 h20 r90
  text "GND" at 3330,4500 h20
  text "VCC" at 3430,4500 h20
  text "C9" at 3530,4500 h20
  text "+" at 2795,4455 h60
  text "C16" at 3955,4455 h20
  text "C17" at 4060,4455 h20
  text "GND" at 4155,4455 h20
  text "VCC" at 4255,4455 h20
  text "D24" at 3985.01,4230 h20
  text "VCC" at 4385,4230 h20
  text "GND" at 3985,4130 h20
  text "GND" at 4385,4130 h20
  text "OFF" at 2355,4055 h30 r90
  text "D17" at 4385,4030 h20
  text "D26" at 3985.01,4023.33 h20
  text "D16" at 4385,3930 h20
  text "D4" at 4005,3925 h20
  text "ON" at 2360,3860 h30 r90
  text "C4" at 2590,3830 h20 r90
  text "3V3" at 2650,3830 h20 r90
  text "C1" at 2784.12,3829.01 h20 r90
  text "3V3" at 2839.12,3829.01 h20 r90
  text "C3" at 2590,3765 h20 r90
  text "C0" at 2784.12,3764.01 h20 r90
  text "B31" at 3990,3760 h20
  text "B20" at 4400,3760 h20
  text "GND" at 2650,3745.01 h20 r90
  text "GND" at 2839.12,3744.01 h20 r90
  text "B30" at 3990,3658.33 h20
  text "GND" at 4400,3658.33 h20
  text "GND" at 2535,3635 h20 r90
  text "GND" at 2725,3635 h20 r90
  text "C2" at 2587.13,3633.86 h20 r90
  text "C5" at 2782.13,3633.86 h20 r90
  text "B29" at 3990,3556.67 h20
  text "C29" at 4400,3556.67 h20
  text "C24" at 2587.13,3553.86 h20 r90
  text "C25" at 2782.13,3553.86 h20 r90
  text "3V3" at 2535,3550 h20 r90
  text "3V3" at 2725,3550 h20 r90
  text "华南师范大学" at 2189.36,3490 h60 r270
  text "深蓝六菱宏光队" at 2114.46,3480 h50 r270
  text "斯国一内！" at 2025.65,3470 h70 r270
  text "B28" at 3990,3455 h20
  text "C28" at 4400,3455 h20
  text "B27" at 3990,3335 h20
  text "B26" at 3990,3255 h20
  text "B22" at 4400,3255 h20
  text "B25" at 3990,3155 h20
  text "GND" at 4400,3155 h20
  text "B24" at 3990,3055 h20
  text "VCC" at 4400,3055 h20
  text "B19" at 6125,2965 h20
  text "B18" at 6222.22,2965 h20
  text "GND" at 6319.45,2965 h20
  text "VCC" at 6420,2965 h20
  text "+" at 2330.19,2944.82 h60
  text "GND" at 4830,2910 h20
  text "GND" at 5300,2910 h20
  text "VCC" at 3375,2820 h20
  text "GND" at 3476.11,2820 h20
  text "B13" at 3577.22,2820 h20
  text "B12" at 3675,2820 h20
  text "C11" at 4085,2775 h20
  text "VCC" at 4185.83,2775 h20
  text "GND" at 4290,2775 h20
  text "+" at 3200,2770 h60
  text "-" at 2384.99,2665 h60 r90
  text "B14" at 6075,2643.52 h20
  text "B16" at 6174.17,2643.52 h20
  text "B17" at 6273.33,2643.52 h20
  text "VCC" at 6372.5,2643.52 h20
  text "GND" at 6475,2643.52 h20
  text "C7" at 4100,2620 h20
  text "VCC" at 4190.83,2620 h20
  text "GND" at 4295,2620 h20
  text "GND" at 4830,2525 h20
  text "GND" at 5300,2525 h20
  text "0~12V" at 2165,2480.64 h60
  text "GND" at 5895,2480 h20
  text "VCC" at 6010.71,2480 h20
  text "B0" at 6126.42,2480 h20
  text "B1" at 6222.14,2480 h20
  text "B2" at 6311.19,2480 h20
  text "C19" at 6406.91,2480 h20
  text "B3" at 6519.28,2480 h20
  text "C18" at 6575,2480 h20
Bottom Overlay:
  text "RT1064BOARD_V2" at 5259.45,4144.5 h180 r40
  text "RT1064BOARD_V2" at 5934.45,4144.5 h180 r40
  text "主板电源供给模块" at 2800,4083.74 h70
  text "D0" at 2890,3935 h20 r180
Top Solder:
  rectangle: 2085,4315 2295,4790

## Dimensions
1960,2385 to 6765,2290 on TOP
7400,4865 to 7025,2420 on TOP

## Text inside footprints (layer, text, board x,y; h text height)
电机信号接口1: Top Overlay "D1" at 5040,2765 h20; Top Overlay "D0" at 5040,2665 h20; Top Overlay "D2" at 4660,2765 h20; Top Overlay "D3" at 4660,2665 h20
电机信号接口2: Top Overlay "D14" at 5500,2765 h20; Top Overlay "D15" at 5495,2665 h20; Top Overlay "D12" at 5100,2765 h20; Top Overlay "D13" at 5100,2665 h20